# KiCad board Turbo_XT_Mainboard R3.kicad_pcb (continued)
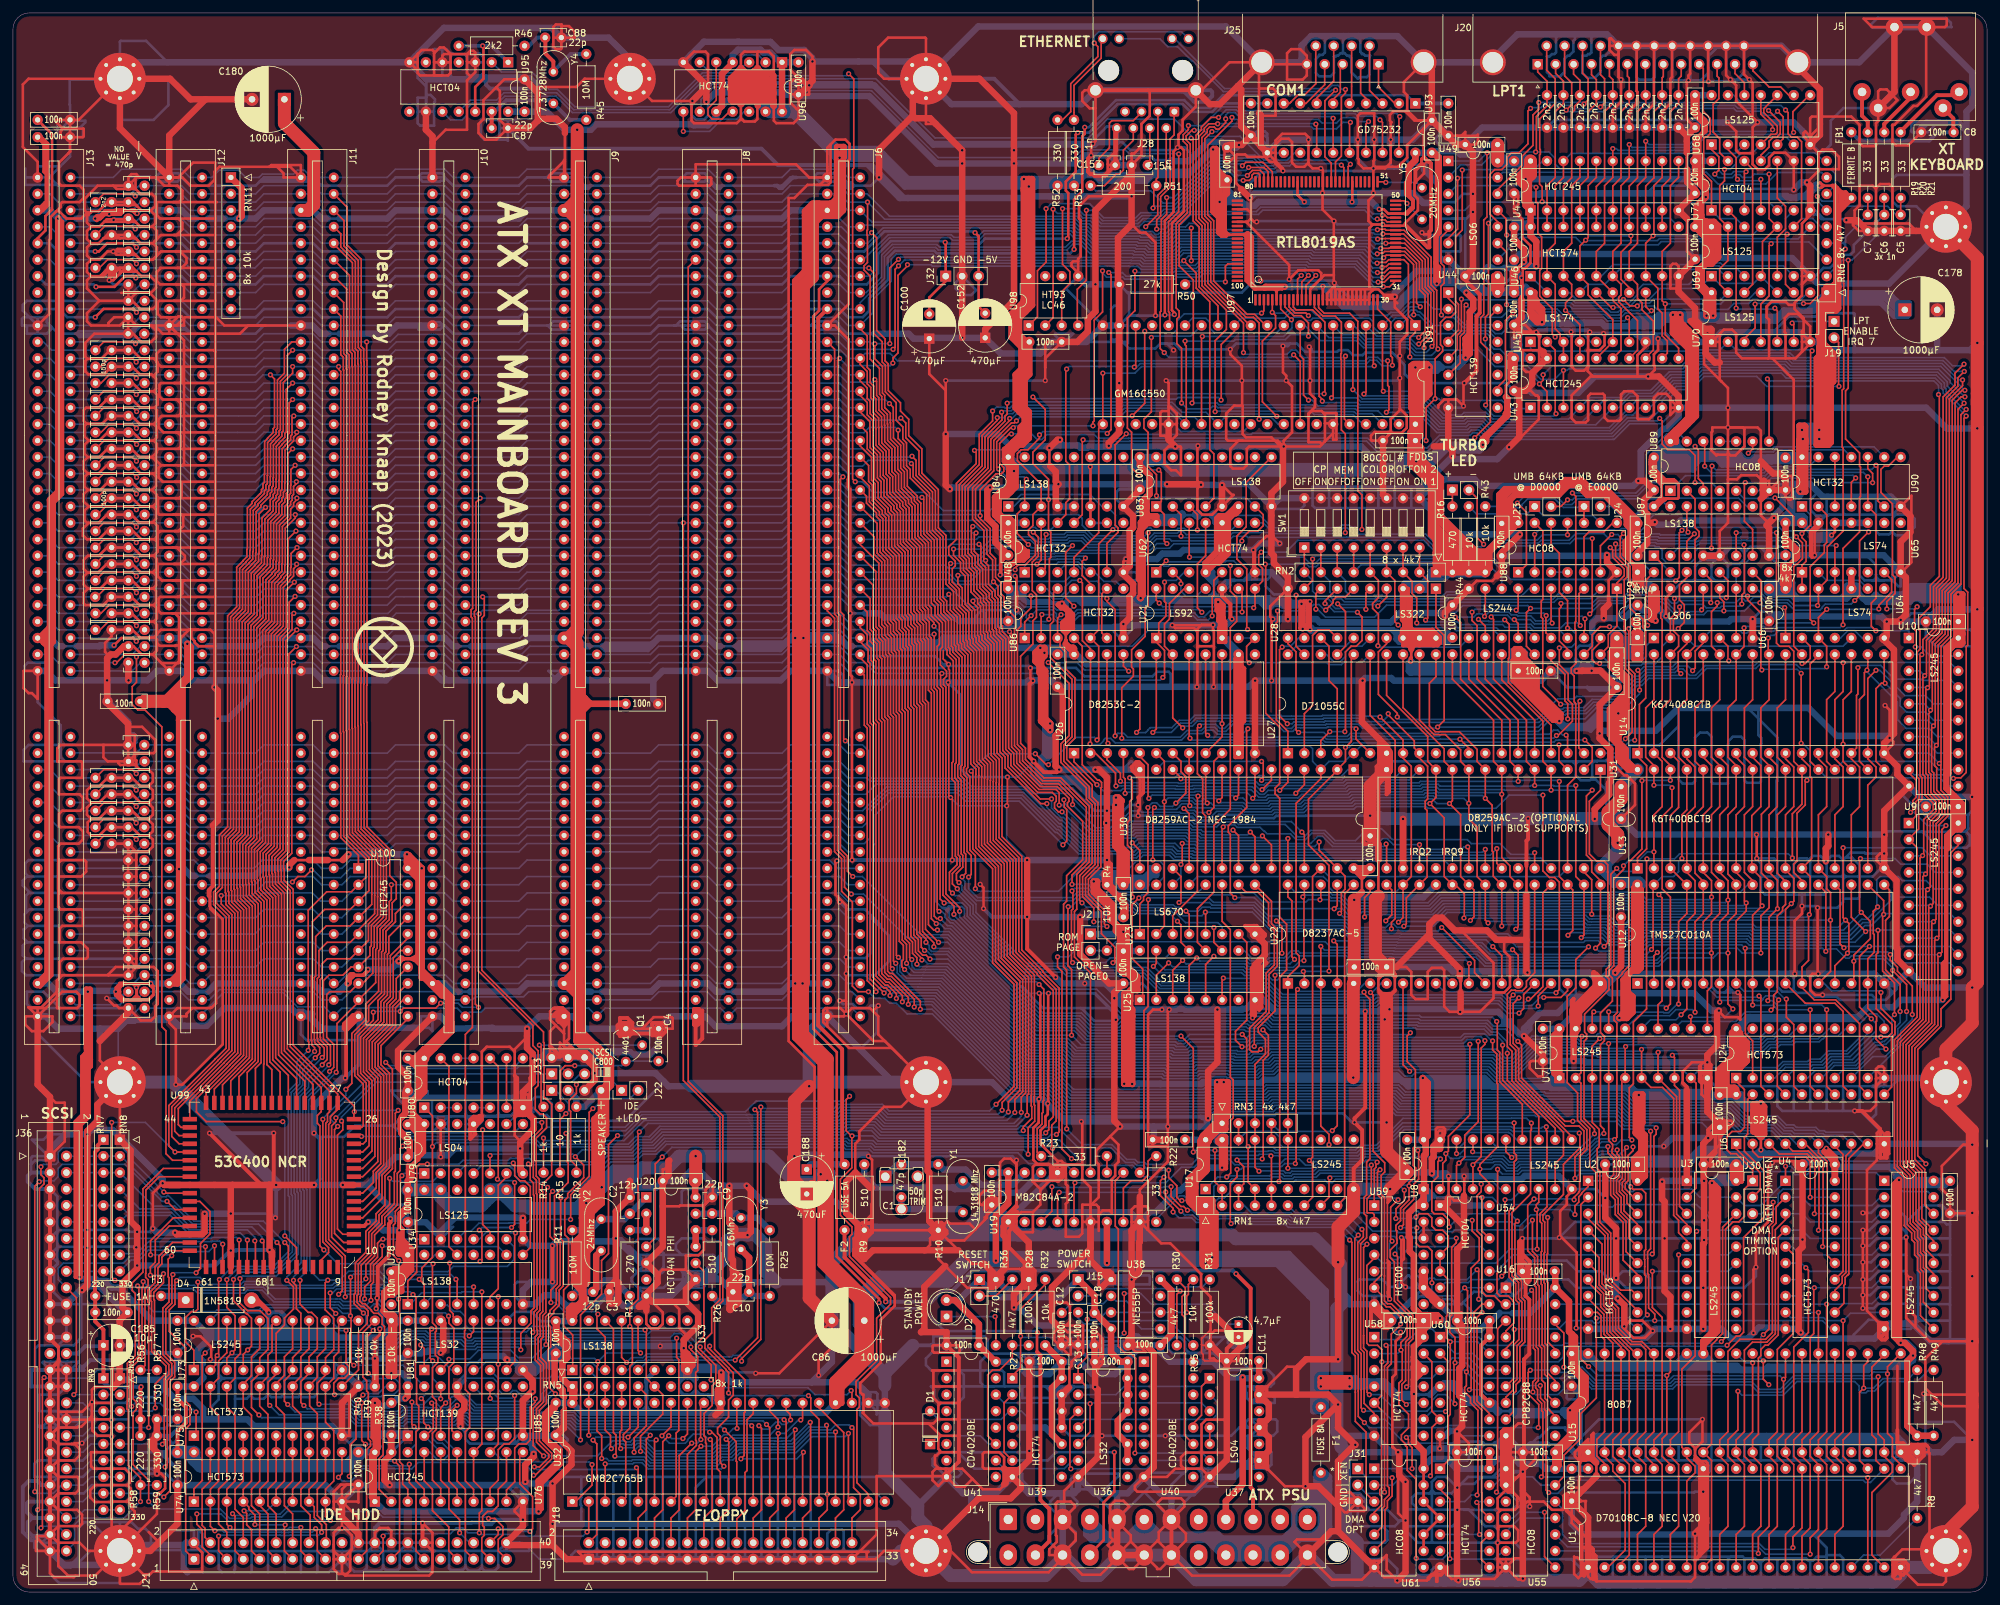
[diagram p0: board, top side]
## Routing (per net, layer and track width the routed paths; a pad name or vN(x,y) marks a point on that pad's centre or on a via; arc(x,y) is an arc through that point) (continued)
14.73,195.58 ; 8.25,26.67 8.25,27.69 8.4,27.83 ; 8.25,26.67 8.32,26.6 12.25,26.6 ; 8.25,26.67 8.25,25.4 ; 8.25,26.67 J36.33 ; 146.05,26.67 142.75,26.67 ; 142.75,26.67 142.11,26.04 140.33,26.04 ; 142.75,26.67 142.88,26.8 142.88,28.83 143.26,29.21 ; 31.24,173.99 31.24,171.45 ; 31.24,173.99 31.24,176.28 ; 31.24,173.99 25.53,173.99 ; 31.24,171.45 31.24,168.78 ; 31.24,171.45 25.02,171.45 ; C46.2 122.86,231.22 122.94,231.3 v1(122.94,232.66) ; C46.2 121.28,232.92 121.48,233.11 122.49,233.11 ; 28.57,148.59 30.48,148.59 31.11,147.96 v1(31.11,139.7) 31.24,139.83 31.24,146.05 ; 28.57,148.59 22.86,148.59 22.22,147.96 22.22,147.83 ; 21.84,162.56 19.81,162.56 18.54,163.83 C138.2 C115.1 14.52,163.83 13.25,162.56 11.43,162.56 10.92,163.07 10.79,163.07 10.79,164.21 11.68,165.1 ; 21.84,162.56 22.35,162.05 22.35,161.29 ; 21.84,162.56 22.35,163.07 22.35,164.59 21.77,165.17 21.53,165.17 ; U41.8 144.14,17.65 142.88,16.38 141.99,17.27 141.99,18.54 142.49,19.05 143.26,19.05 ; U41.8 145.67,16.26 146.94,16.26 148.15,17.46 ; U41.8 144.02,17.91 ; 154.94,57.28 154.94,57.91 155.7,58.67 157.48,58.67 ; 154.94,57.28 154.94,55.88 ; 154.94,57.28 153.99,58.23 153.99,58.36 ; U15.1 243.2,23.62 242.25,22.67 ; U15.1 241.94,20.32 241.94,20.07 ; U15.1 243.08,21.59 241.94,20.45 241.94,20.07 ; U15.1 242.25,22.54 242.25,22.67 ; 212.29,60.14 212.64,60.5 212.64,61.39 ; 212.29,60.14 212.29,60.06 ; 212.29,60.14 212.29,61.03 212.64,61.39 ; J36.1 8,69.6 8,75.56 6.6,75.56 4.44,77.72 ; v1(182.95,177.01) 182.88,176.94 182.88,171.55 v1(183.44,170.99) 182.88,170.43 182.88,167.13 183.64,166.37 185.17,166.37 186.44,167.64 U83.5 188.47,169.42 188.21,169.42 v1(186.69,170.94) ; J12.1 25.53,218.44 27.81,220.73 31.24,220.73 31.24,212.09 ; J12.1 24.13,217.3 24.26,217.17 ; J12.1 26.16,218.44 27.43,217.17 30.23,217.17 31.11,218.06 31.11,219.33 31.88,220.09 39.62,220.09 ; C44.2 264.54,72.77 265.3,72.77 265.56,72.52 265.56,72.26 264.35,71.06 ; C44.2 263.65,71.75 264.35,71.06 ; C44.2 263.52,66.68 262.89,66.04 C32.2 261.06,66.63 263.52,69.09 263.52,70.23 ; C44.2 263.52,70.23 ; 24.13,194.31 25.4,194.31 ; 24.13,194.31 J12.10 ; 24.13,194.31 23.11,194.31 22.1,195.33 22.1,195.58 ; 25.4,194.31 24.76,194.94 ; 25.4,194.31 35.05,194.31 36.32,195.58 38.99,195.58 ; J13.1 3.81,220.85 1.52,223.14 1.52,232.79 2.41,233.68 H1.1 10.16,227.33 C151.2 ; 209.96,211.17 209.84,211.17 209.3,211.71 209.3,214.88 210.04,215.63 210.04,216.04 v1(210.06,216.03) U97.52 210.04,219.82 v1(210.06,219.84) ; 209.96,211.17 v1(211.49,211.17) 211.68,210.99 214.8,210.99 214.95,211.14 214.95,211.39 216.92,213.36 216.92,215.15 216.4,215.67 216.4,217.6 217.87,219.07 v1(217.87,220.92) 217.87,221.55 217.81,221.62 217.81,225.98 C79.2 ; 213.43,95.43 212.79,95.43 ; 213.43,95.43 212.34,96.52 C53.2 ; 213.43,95.43 213.43,95.19 ; 212.79,95.43 211.39,95.43 211.27,95.32 ; 212.79,95.43 213.29,94.94 213.43,94.94 ; 264.35,71.06 263.52,70.23 ; 205.61,201.17 204.98,201.17 ; 205.61,201.17 206.25,201.17 ; 205.61,201.17 205.5,201.05 U97.22 ; 204.98,201.17 204.98,201.04 204.84,200.91 U97.21 ; 204.98,201.17 204.22,201.17 204.19,201.19 ; J14.17 172.55,7.79 172.59,7.79 ; J14.17 170.47,5.81 169.04,7.24 169.8,8 169.93,8 ; J14.17 170.47,5.43 172.34,3.56 172.97,3.56 174.67,5.25 J14.18 ; J14.17 170.47,7.46 169.93,8 ; J14.17 170.47,5.24 167.89,2.67 165.12,2.67 J14.15 ; J20.19 250.7,238.72 250.7,231.77 250.82,231.65 250.82,230.63 250.7,230.51 250.7,229.87 249.81,228.98 249.81,228.6 249.56,228.35 C25.2 ; 132.91,89.6 132.91,89.85 v1(133.6,90.55) ; 132.91,89.6 132.33,90.17 129.54,90.17 v1(128.65,89.28) ; 152.59,161.18 152.59,157.23 v1(152.43,157.07) ; 152.59,161.18 152.59,159.19 ; 152.59,161.18 152.57,161.2 152.43,161.07 v1(152.43,157.07) ; 160.15,65.91 U19.15 ; 160.15,65.91 159.95,66.11 158.17,66.11 157.55,66.73 157.55,71.68 158.37,72.49 158.37,76.09 v1(158.4,76.12) 158.62,76.35 158.62,92.28 v1(158.44,92.46) ; 160.15,65.91 160.09,65.97 157.79,65.97 157.48,65.66 157.48,63.37 ; 14.09,211.59 14.49,211.98 17.71,211.98 C127.2 18.41,212.09 18.99,211.52 ; 14.09,211.59 13.33,210.82 12.06,210.82 ; 14.09,211.59 18.92,211.59 18.99,211.52 ; 2.41,90.3 2.54,90.17 3.81,90.17 ; 2.41,90.3 J13.80 ; 2.41,90.3 2.43,90.28 4.37,90.28 6.79,92.7 6.79,94.42 ; 11.56,154.94 13.46,154.94 14.73,156.21 C118.1 C135.2 18.41,156.21 19.68,154.94 21.46,154.94 ; 11.56,154.94 10.92,155.57 10.92,156.83 11.5,157.41 ; 11.56,154.94 10.92,154.31 10.92,152.65 11.18,152.4 13.93,152.4 C119.1 C134.2 18.29,153.67 19.56,152.4 21.72,152.4 ; v1(195.58,161.93) 194.31,163.19 194.31,166.24 ; v1(292.99,43.31) 293.75,42.55 293.75,40.89 ; 21.21,213.36 19.81,213.36 19.18,214 ; 21.21,213.36 21.97,212.6 21.97,211.33 21.46,210.82 ; 21.21,213.36 21.34,213.36 21.97,214 21.97,215.39 21.46,215.9 19.68,215.9 18.92,216.66 ; 173.99,122.94 173.99,120.9 173.74,120.65 v1(173.74,119.89) ; 173.99,122.94 173.74,122.68 v1(173.74,121.54) ; 173.99,122.94 U30.14 ; 268.6,222.12 268.6,226.19 v1(269.37,226.95) ; 268.6,222.12 268.55,222.18 266.52,222.18 266.06,222.63 266.06,225.55 v1(264.7,226.92) ; 268.6,222.12 268.6,220.47 269.37,219.71 270.51,219.71 271.14,220.34 271.14,221.49 271.91,222.25 273.69,222.25 U71.9 v1(274.95,216.53) ; 154.94,154.43 154.94,156.67 v1(154.74,156.87) ; 131.83,5.08 131.83,5.97 132.08,6.22 87.25,6.22 88.39,5.08 J18.1 131.83,5.08 ; 131.83,5.08 133.22,5.08 134.49,6.35 H8.1 144.78,6.35 148.08,3.05 159.89,3.05 162.07,5.23 J14.15 ; 18.58,200.62 16.72,200.62 ; 189.87,177.8 187.58,177.8 187.32,178.05 187.32,181.99 188.54,183.2 189.8,183.2 ; 13.99,209.02 14.52,209.55 C101.1 ; 13.99,209.02 14.01,209.04 16.51,209.04 ; 15.24,29.21 12.32,29.21 v1(12.19,29.34) ; 15.24,29.21 15.24,31.37 15.37,31.5 ; J20.0 273.05,238.76 J20.25 ; 211.27,95.32 211.58,95.63 212.99,95.63 ; 21.59,167.64 19.68,167.64 18.41,168.91 C140.2 C113.1 14.86,168.91 13.59,167.64 11.68,167.64 ; 21.59,167.64 22.22,168.28 22.22,169.16 ; 21.59,167.64 22.1,167.13 22.1,165.74 21.53,165.17 ; 143.26,29.21 145.92,29.21 146.05,29.34 ; 143.26,29.21 142.88,29.21 142.11,29.97 142.11,31.88 ; 24.13,196.72 24,196.85 23.75,196.85 ; 24.13,196.72 J12.10 ; 7,37.32 7,37.83 ; 7,37.32 7,27.83 ; 7,37.32 7,36.08 7.07,36.02 ; 18.8,131.06 18.8,132.21 18.92,132.33 17.78,132.33 ; 18.8,131.06 18.8,130.68 18.67,130.81 C161.1 ; 18.8,131.06 18.8,128.65 19.05,128.4 ; J21.2 27.94,7.37 29.21,6.1 29.21,3.18 21.59,3.18 21.15,2.73 20.13,2.73 ; 6.98,110.36 6.98,112.52 7.49,113.03 11.05,113.03 11.3,112.78 11.3,111.25 10.54,110.49 7.11,110.49 6.98,110.36 ; 6.98,110.36 6.98,108.59 7.49,108.08 7.49,107.95 C169.2 ; 25.27,196.72 J12.10 ; 25.27,196.72 25.53,196.98 26.03,196.98 26.42,196.6 26.42,195.58 J12.10 ; J12.10 25.27,195.58 26.54,196.85 31.37,196.85 32.64,195.58 38.99,195.58 ; J12.10 22.1,195.58 ; J12.10 24.76,194.94 ; C101.1 16,209.55 16.51,209.04 ; C101.1 C126.2 18.41,209.55 19.18,208.79 ; 191.13,212.09 191.13,212.98 ; 191.13,212.09 191.64,211.58 v1(192.02,211.58) ; 191.13,212.09 190.63,211.59 190.38,211.59 ; v1(264.79,179.83) 267.08,179.83 267.33,179.58 267.33,176.91 265.94,175.51 265.18,175.51 264.79,175.9 ; v1(264.79,179.83) v1(264.79,182.88) 264.79,185.93 263.78,186.94 ; v1(264.79,179.83) 269.37,179.83 269.88,179.32 269.88,171.32 U89.7 ; v1(264.79,179.83) 262.38,179.83 262.38,179.2 262.25,179.07 262.25,176.28 263.02,175.51 263.14,175.64 264.79,175.64 ; v1(264.79,179.83) 264.79,175.9 ; 31.24,184.28 31.11,184.15 25.27,184.15 ; 31.24,184.28 31.24,186.69 ; 212.42,178.69 C71.2 ; 212.42,178.69 212.74,179.01 ; C71.2 212.74,179.01 ; v1(144.02,187.07) v1(144.02,178.82) 144.02,185.55 141.48,188.09 C100.1 ; 202.56,177.67 202.56,180.47 ; 202.56,177.67 203.83,178.94 ; 202.56,180.47 203.71,180.47 U91.35 203.83,178.94 ; 202.56,180.47 202.56,181.99 202.44,181.99 202.37,182.05 ; 261.74,238.76 261.74,233.29 v1(261.78,233.24) ; 259.71,21.97 259.71,22.1 260.86,23.24 v1(260.86,26.67) 258.83,24.64 258.83,23.11 259.71,22.23 259.71,21.97 ; 259.71,21.97 259.71,21.08 ; 24.26,217.17 25.4,217.17 26.16,216.41 26.16,215.14 25.65,214.63 24.76,214.63 ; v1(234.19,13.21) 234.19,14.61 233.12,15.67 ; 22.22,147.83 21.79,147.39 ; H5.1 140.97,239.9 140.84,240.03 135.13,240.03 133.6,238.51 133.6,234.57 134.49,233.68 H5.1 ; H5.1 140.97,226.69 142.49,226.69 ; 19.05,218.44 18.92,218.31 18.92,216.66 ; 19.05,218.44 17.82,217.21 C129.2 ; C160.1 17.78,128.31 C161.1 ; C160.1 19.09,129.54 21.72,129.54 21.97,129.79 21.97,131.57 19.94,133.6 17.78,133.6 ; C160.1 16.26,128.27 ; C160.1 17.95,128.4 19.05,128.4 ; C160.1 18.32,128.27 18.88,127.72 ; 51.56,29.97 51.94,29.59 51.94,24.13 U75.10 ; 27.69,90.17 26.8,89.28 26.8,88.9 J12.80 ; 27.69,90.17 30.48,90.17 30.59,90.28 30.71,90.28 31.37,90.93 31.37,104.59 30.45,105.51 30.45,108.3 30.52,108.38 30.52,108.67 ; 27.69,90.17 25.4,90.17 J12.80 ; 152.72,48.45 152.53,48.26 R36.2 ; 152.72,48.45 152.72,47.82 151.89,46.99 151.51,46.99 ; 85.09,29.97 85.35,29.97 85.16,29.79 85.16,28.63 ; 85.09,29.97 85.09,25.48 C96.2 ; 85.09,29.97 85.09,30.23 ; 152.78,57.66 152.78,57.15 ; 152.78,57.66 153.16,58.04 ; 152.78,57.66 152.97,57.84 ; 152.78,57.15 152.78,56.63 152.97,56.45 152.97,56.97 152.78,57.15 ; 38.99,195.58 J11.10 ; 25.02,163.83 25.53,163.83 26.29,164.59 26.29,166.12 26.03,166.37 24.76,166.37 ; 25.02,163.83 22.73,163.83 22.35,163.45 22.35,161.29 ; 25.02,163.83 31.11,163.83 31.24,163.7 ; 222.93,224.87 226.01,224.87 226.19,225.04 226.19,223.9 225.81,223.52 C62.2 224.24,225.47 223.63,224.87 222.93,224.87 ; 222.93,224.87 C187.2 ; U74.10 53.21,11.56 53.21,7.75 J21.22 ; U74.10 v1(50.8,9.91) ; 77.47,76.07 U80.7 ; 77.47,76.07 77.47,74.68 ; 24.89,158.75 22.47,158.75 22.35,158.64 22.35,156.84 22.99,156.21 24.64,156.21 ; 24.89,158.75 31.11,158.75 31.24,158.62 ; 24.89,158.75 25.78,158.75 26.54,159.51 26.54,160.02 25.27,161.29 24.64,161.29 ; v1(14.86,202.56) 14.86,203.33 15.24,203.71 C102.1 ; v1(14.86,202.56) 15.24,202.56 ; v1(14.86,202.56) 14.86,202.82 15.68,203.64 ; v1(14.86,202.56) 14.86,204.47 C102.1 ; 25.27,181.61 25.53,181.61 25.91,181.99 25.91,183.52 25.27,184.15 ; 25.27,181.61 22.99,181.61 22.48,181.1 22.48,179.83 23.24,179.07 25.27,179.07 ; 26.42,191.9 26.29,191.77 25.15,191.77 ; 26.42,191.9 26.42,174.24 26.16,173.99 25.53,173.99 ; 26.42,191.9 26.42,193.29 24.76,194.94 ; C151.2 6.73,227.33 6.73,226.95 7.56,226.12 ; C151.2 8.81,225.98 ; 287.65,78.1 U24.10 ; 287.65,78.1 287.65,75.18 286.77,74.3 v1(284.35,74.3) ; 273.69,190.5 275.21,190.5 276.22,191.52 ; 273.69,190.5 271.65,190.5 ; 273.69,190.5 273.69,194.44 273.56,194.56 273.56,196.72 274.19,197.36 275.59,197.36 277.5,195.45 U70.7 ; 195.07,220.47 194.94,220.6 194.94,222.25 ; 195.07,220.47 v1(196.09,219.46) 196.09,219.84 193.68,222.25 ; 195.07,220.47 194.69,220.85 194.06,220.85 193.29,221.62 190.63,221.62 190.25,222 188.98,222 187.96,220.98 187.32,220.98 187.07,221.23 187.07,222.68 C73.2 188.85,221.66 188.85,217.55 189.61,216.79 189.61,216.66 ; 9.02,22.86 6.98,22.86 J36.35 ; 276.22,203.2 276.22,204.34 276.29,204.41 ; 243.14,189.03 243.01,189.03 242.57,188.59 241.3,188.59 240.66,189.23 240.66,194.51 v1(240.57,194.6) ; 243.14,189.03 243.2,189.1 243.2,191.64 243.14,191.71 ; 243.14,189.03 243.14,188.54 243.97,187.71 v1(252.48,187.71) ; 9.65,2.54 9.4,2.29 6.35,2.29 5.71,2.92 J36.49 ; 9.65,2.54 8.51,2.54 7,4.04 7,6.37 ; v1(269.37,226.95) 266.06,230.25 266.06,232.66 264.5,234.22 J20.24 ; v1(269.37,226.95) 268.6,227.71 268.6,233.05 v1(268.1,233.55) 267.27,234.38 J20.25 ; 155.26,55.56 157.42,55.56 157.48,55.63 157.48,58.67 ; C102.1 C124.2 ; C102.1 14.73,204.47 13.59,203.33 13.59,203.2 ; C102.1 13.97,203.2 13.59,203.2 ; 211.45,92.46 211.2,92.46 ; 85.34,25.15 85.34,28.45 85.16,28.63 ; 85.34,25.15 84.41,24.21 C96.2 ; 85.34,25.15 84.76,25.15 ; 8.57,222.19 8.89,222.5 ; 3.87,8.19 3.56,7.87 3.56,6.35 J36.49 ; 3.87,8.19 J36.49 ; 224.03,61.21 224.07,61.26 224.07,61.64 224.09,61.65 224.09,62.81 224.07,62.82 v1(224.07,64.22) ; C53.2 212.98,95.63 212.99,95.63 ; 39.62,220.09 39.88,220.34 44.45,220.34 J11.1 ; 39.62,220.09 40.77,220.09 ; J13.80 5.08,90.17 ; J13.80 3.81,90.17 ; J13.80 2.03,88.9 1.9,88.77 1.9,87.63 2.92,86.61 4.7,86.61 6.1,88.01 6.1,88.9 J13.80 ; 5.08,90.17 7.62,92.71 9.78,92.71 10.29,92.2 10.29,90.55 9.91,90.17 6.86,90.17 6.79,90.23 6.79,94.42 ; 5.08,90.17 3.81,90.17 ; U95.7 62.48,234.95 ; U95.7 62.61,237.62 ; 278.76,222.12 278.76,219.71 ; 278.76,222.12 278.76,222.25 U68.7 ; 278.76,222.12 279.4,222.76 280.8,222.76 281.94,221.62 281.94,219.71 278.76,219.71 ; U97.20 U97.19 ; U97.20 204.19,201.19 ; U97.20 U97.21 ; U97.19 203.54,201.08 203.52,201.1 ; U97.19 U97.18 202.89,200.48 203.52,201.1 ; v1(159.77,75.44) 159.84,75.51 159.84,75.77 ; v1(159.77,75.44) 159.77,73.79 159.42,73.44 159.42,72.06 158.66,71.3 158.66,69.2 161.29,66.57 ; v1(159.77,75.44) 159.84,75.77 ; 178.44,182.37 178.44,183.01 ; 178.44,182.37 177.42,182.37 177.16,182.12 177.16,180.34 ; 178.44,182.37 178.44,180.34 ; 178.44,183.01 178.44,186.69 v1(178.05,187.07) ; 178.44,183.01 178.69,183.01 179.7,181.99 179.7,180.47 ; J36.49 6.98,6.35 7,6.37 ; 235.65,192.21 235.65,193.76 235.71,193.82 ; 235.65,192.21 235.97,191.9 ; 130.43,55.25 129.79,54.61 129.79,52.96 ; 150.05,57.47 150.05,57.85 152.4,60.2 152.4,62.87 ; 150.05,57.47 148.59,56.01 ; 169.93,8 169.42,8.51 169.42,13.33 170.18,14.1 171.45,14.1 172.34,13.21 170.47,11.34 J14.5 170.47,10.89 172.59,8.76 172.59,7.79 ; 206.25,201.17 206.88,201.17 ; 206.25,201.17 206.14,201.06 U97.23 ; 153.03,19.05 153.03,20.83 152.27,21.59 149.99,21.59 149.73,21.34 149.73,19.3 149.99,19.05 153.03,19.05 ; 153.03,19.05 153.03,16.64 153.1,16.57 ; 160.65,7.24 160.02,6.6 160.02,5.71 J14.15 ; 160.65,7.24 161.16,7.75 161.16,8.64 161.04,8.76 161.04,13.72 161.29,13.97 162.31,13.97 ; 160.65,7.24 160.65,7.13 J14.15 ; 212.74,179.01 214.44,179.01 215.2,179.76 215.2,181.68 214.12,182.75 ; 65.02,236.22 65.02,234.19 66.17,234.19 ; 65.02,236.22 U95.5 ; 221.87,61.09 220.47,59.69 U54.1 ; 221.87,61.09 222.51,60.45 224.03,60.45 ; 221.87,61.09 221.66,61.3 v1(221.66,64.22) ; 70.68,234 71.37,234.7 U95.3 ; 70.68,234 70.1,233.43 70.1,225.81 66.8,225.81 64.77,223.77 ; 203.83,178.94 203.83,177.93 204.34,177.93 204.34,181.99 204.28,182.05 202.37,182.05 ; U80.7 78.74,73.53 ; U80.7 77.47,73.53 ; U80.7 78.61,74.68 77.47,74.68 ; 78.74,73.53 79.12,73.53 79.5,73.91 79.5,76.84 79.12,76.84 78.74,77.22 ; 78.74,73.53 77.72,73.53 ; 66.17,234.19 67.18,234.19 67.56,234.57 67.56,236.22 ; 66.17,234.19 62.86,234.19 62.48,234.57 62.48,234.95 ; 153.99,58.36 154.43,58.8 ; 193.68,222.25 195.83,224.41 196.98,224.41 197.49,223.9 197.49,220.73 198.12,220.09 199.39,220.09 200.02,220.73 ; 193.68,222.25 194.94,222.25 ; v1(122.94,232.66) 122.49,233.11 ; v1(122.94,232.66) 122.43,232.66 120.01,235.08 120.01,237.49 120.65,238.12 122.43,238.12 123.44,237.11 v1(123.44,236.35) ; v1(210.06,219.84) 210.31,220.09 213.87,220.09 215.26,221.49 215.26,223.44 C79.2 ; v1(210.06,219.84) 208.53,219.84 207.77,220.6 207.77,221.23 207.64,221.36 v1(207.64,224.28) 207.64,227.97 208.03,228.35 210.19,228.35 v1(210.19,224.28) 210.19,221.11 210.06,220.98 v1(210.06,219.84) ; v1(210.06,219.84) 211.84,219.84 212.72,220.73 v1(212.72,224.28) 212.72,226.82 212.85,226.95 212.6,227.2 212.6,228.09 213.18,228.67 214.94,228.67 216.36,227.25 C79.2 ; 25.15,191.77 22.73,191.77 22.22,191.26 22.22,189.87 22.86,189.23 25.53,189.23 ; 25.15,191.77 30.99,191.77 31.24,191.52 ; 104.01,39.37 104.01,39.62 102.87,40.77 102.87,43.69 101.75,44.81 100.35,44.81 ; 77.47,73.53 77.47,74.68 ; 77.47,73.53 77.47,73.15 ; 77.47,73.53 77.72,73.53 ; 165.1,57.28 165.23,57.15 U19.6 ; 165.1,57.28 165.1,55.37 164.59,54.86 162.56,54.86 162.56,59.94 162.81,60.2 162.81,62.74 162.56,62.99 162.56,64.64 ; 165.1,57.28 165.1,59.82 167.26,59.82 167.64,59.44 167.64,58.04 ; 15.68,203.64 16.51,204.47 ; 21.72,177.8 22.22,178.31 22.22,179.83 21.72,180.34 ; 21.72,177.8 22.22,177.29 22.22,176.02 21.46,175.26 ; 21.72,177.8 19.81,177.8 18.54,179.07 C144.2 C109.1 14.6,179.07 13.33,177.8 11.68,177.8 ; 85.22,225.3 85.22,221.23 ; 85.22,221.23 85.09,221.11 J9.1 ; 31.5,214.63 24.76,214.63 ; 25.15,207.01 25.78,207.01 26.8,205.99 26.8,205.23 26.03,204.47 25.4,204.47 ; 25.15,207.01 31.24,207.01 ; 25.15,207.01 22.86,207.01 21.59,205.74 ; 263.78,186.94 261.11,189.61 261.11,191.77 262.25,192.91 U70.1 ; 263.78,186.94 263.52,187.2 263.52,193.04 ; U19.6 166.37,59.69 167.64,60.96 167.64,66.04 167.26,66.42 167.26,68.2 169.42,70.36 ; J14.18 172.59,7.79 ; J14.18 174.67,5.89 176.72,7.94 ; J14.18 176.66,3.73 176.66,3.56 177.16,3.56 178.87,5.26 J14.19 ; 146.05,24.13 143.26,24.13 ; 143.26,24.13 142.88,23.75 142.88,22.1 143.13,21.84 143.13,21.59 ; 143.26,24.13 141.35,26.04 140.33,26.04 ; 148.59,56.01 147.7,56.9 144.65,56.9 144.27,57.28 R10.2 ; 148.59,56.01 146.88,54.29 144.46,54.29 ; v1(12.19,29.34) 12.19,27.18 10.54,25.53 10.03,25.53 9.91,25.4 8.25,25.4 ; v1(12.19,29.34) 10.69,27.83 8.4,27.83 ; v1(12.19,29.34) 12.19,31.24 12.63,31.68 15.18,31.68 15.37,31.5 ; v1(12.19,29.34) 12.19,26.8 12.39,26.6 ; 143.13,21.59 142.62,21.08 142.37,21.08 142.37,19.69 143,19.05 143.26,19.05 ; 143.13,21.59 145.92,21.59 146.05,21.46 ; 25.4,153.67 25.65,153.67 26.16,154.18 26.16,155.94 26.43,156.21 24.64,156.21 ; 25.4,153.67 31.11,153.67 31.24,153.8 ; 25.4,153.67 22.73,153.67 22.48,153.42 22.48,151.51 22.86,151.13 24.64,151.13 ; v1(252.48,187.71) 253.49,188.72 253.49,189.23 253.37,189.36 253.37,191.13 254,191.77 v1(254,193.55) ; 85.85,88.39 85.34,88.9 J9.80 ; 85.85,88.39 85.85,85.47 85.41,85.03 ; 85.85,88.39 85.85,89.15 85.09,89.92 ; 167.14,229.12 167.14,224.03 v1(166.75,223.65) 166.47,223.37 v1(166.47,221.85) ; 167.14,229.12 J28.SH 165.49,231.91 165.1,231.52 165.1,230.25 166.24,229.12 167.14,229.12 ; 212.09,91.57 211.2,92.46 ; 212.09,91.57 212.09,91.44 213.43,92.78 213.43,93.03 ; 176.15,68.83 175.39,68.83 175.26,68.96 175.26,89.15 176.05,89.94 v1(177.4,89.94) ; 176.15,68.83 178.31,68.83 ; 176.15,68.83 175.97,69.01 C181.2 ; J21.26 58.42,9.4 57.91,9.91 56.64,9.91 55.88,9.14 J21.24 ; J25.SH 214.76,233.17 214.76,231.65 215.26,231.14 215.26,228.82 216.83,227.25 C79.2 ; 18.88,127.72 16.56,127.72 16.26,128.02 16.26,128.27 ; 18.88,127.72 19.07,127.53 ; C124.2 17.4,204.47 16.83,203.9 ; C124.2 16.51,204.47 ; C124.2 18.54,204.47 19.11,203.9 ; U15.20 292.48,22.61 292.74,22.61 ; U15.20 R8.1 ; R8.1 292.99,22.61 292.74,22.61 ; R8.1 294,22.73 294.13,22.86 ; R8.1 295.78,21.59 ; 190.38,211.59 197.05,204.92 v1(197.05,202.7) 198.45,204.11 201.54,204.11 201.99,203.66 201.99,202.88 ; 190.38,211.59 U97.86 ; 211.2,92.2 211.2,90.93 212.09,90.04 ; 211.2,92.2 211.2,92.46 ; J25.5 199.76,234.19 199.77,234.19 199.14,233.55 196.72,233.55 196.72,237.62 197.36,238.25 198.75,238.25 199.76,237.24 J25.5 ; J25.5 193.1,235.92 J25.SH ; C70.2 234.36,185.5 235.08,184.78 235.33,184.78 235.58,184.53 235.58,181.09 231.28,176.78 v1(231.01,176.78) ; 31.24,199.39 31.24,191.52 ; 31.24,199.39 31.24,201.68 ; 16.26,128.27 14.6,128.27 13.97,128.91 13.97,130.81 ; 246.74,239.9 246.63,239.9 246.51,239.78 246.51,238.76 ; 246.74,239.9 J20.18 ; 246.74,239.9 246.51,239.9 ; 212.99,95.63 213.37,95.26 ; 154.94,60.58 154.94,59.82 153.16,58.04 ; 154.94,60.58 154.94,59.69 155.07,59.56 155.07,59.44 154.43,58.8 ; 154.94,60.58 154.94,65.41 ; 153.1,16.57 152.4,15.88 149.73,15.88 148.15,17.46 ; 153.1,16.57 U39.7 ; 259.59,20.45 259.71,20.57 259.71,21.08 ; 259.59,20.45 259.71,20.45 260.6,19.56 ; 259.59,20.45 U1.33 260.99,19.81 259.71,21.08 ; 126.24,219.2 126.24,217.68 125.86,217.3 124.21,217.3 ; 126.24,219.2 126.24,223.52 ; 126.24,219.2 126.24,218.95 J6.1 ; 211.65,95.32 213.3,95.32 213.37,95.26 ; 25.53,189.23 25.78,189.23 26.16,188.85 26.16,187.07 25.78,186.69 24.89,186.69 ; 25.53,189.23 31.24,189.23 ; 7.56,226.12 7.7,225.98 8.81,225.98 ; C96.2 84.76,25.15 ; 31.24,212.09 31.24,209.55 ; 21.59,157.48 22.22,158.12 22.22,159.51 21.72,160.02 ; 21.59,157.48 22.1,156.97 22.1,155.45 21.59,154.94 21.46,154.94 ; 21.59,157.48 19.68,157.48 18.41,158.75 C136.2 C117.1 14.48,158.75 13.14,157.41 11.5,157.41 ; 169.04,220.47 169.04,221.23 170.44,222.64 J28.8 ; 169.04,220.47 169.16,220.34 C153.1 ; 229.3,9.72 229.24,9.79 229.24,12.19 229.62,12.57 ; 213.43,94.94 213.36,94.87 213.36,93.1 213.43,93.03 ; 213.43,94.94 213.43,95.19 ; 164.27,36.39 164.46,36.58 C13.2 ; 164.27,36.39 164.66,36.39 165.23,36.96 165.23,41.15 v1(161.8,41.15) ; C174.2 14.73,95.25 ; C174.2 19.05,96.48 